# Altium PCB Split_pcb.PcbDoc (part 1 of 2)
Units mm, origin at the board's own origin, x right, y up, seen from the top; angles counter-clockwise.
Board outline 94 x 100 mm, 2 copper layers (Top Layer, Top, Bottom Layer, Bottom), stack 0.981 mm thick; 156 components, 108 nets, 453 pads, 241 vias.
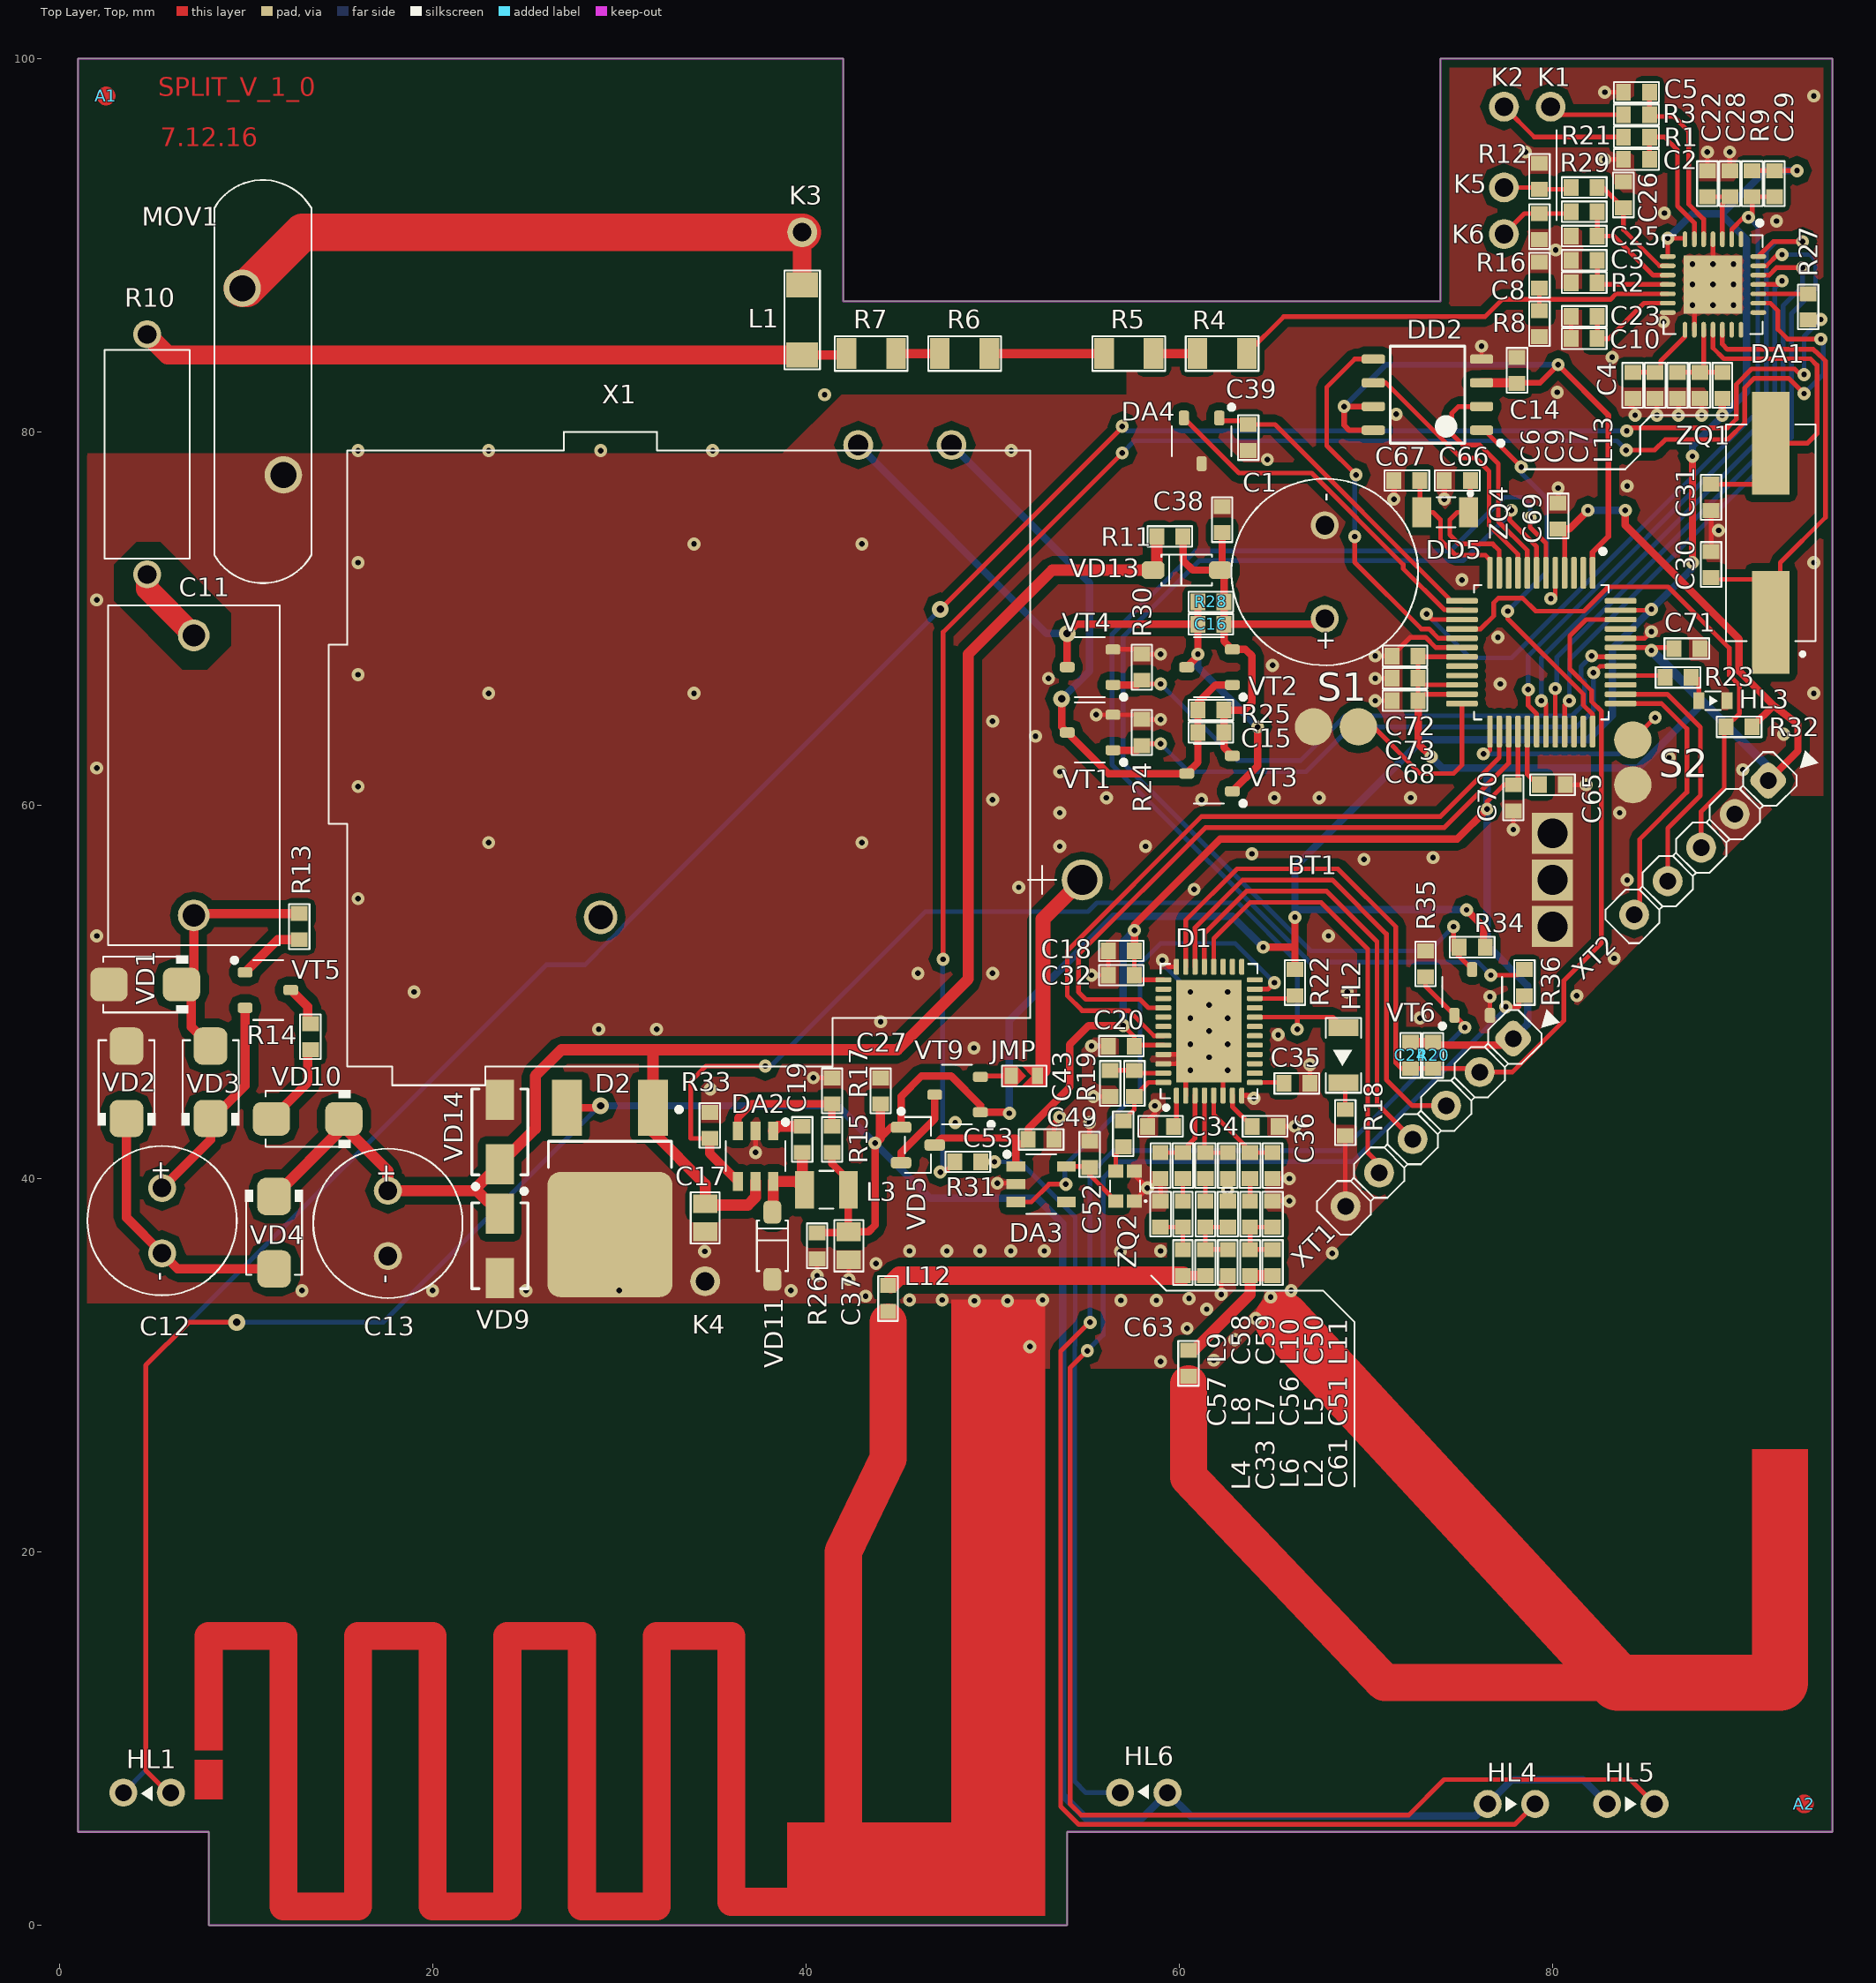
[diagram p0: Top Layer, Top view]
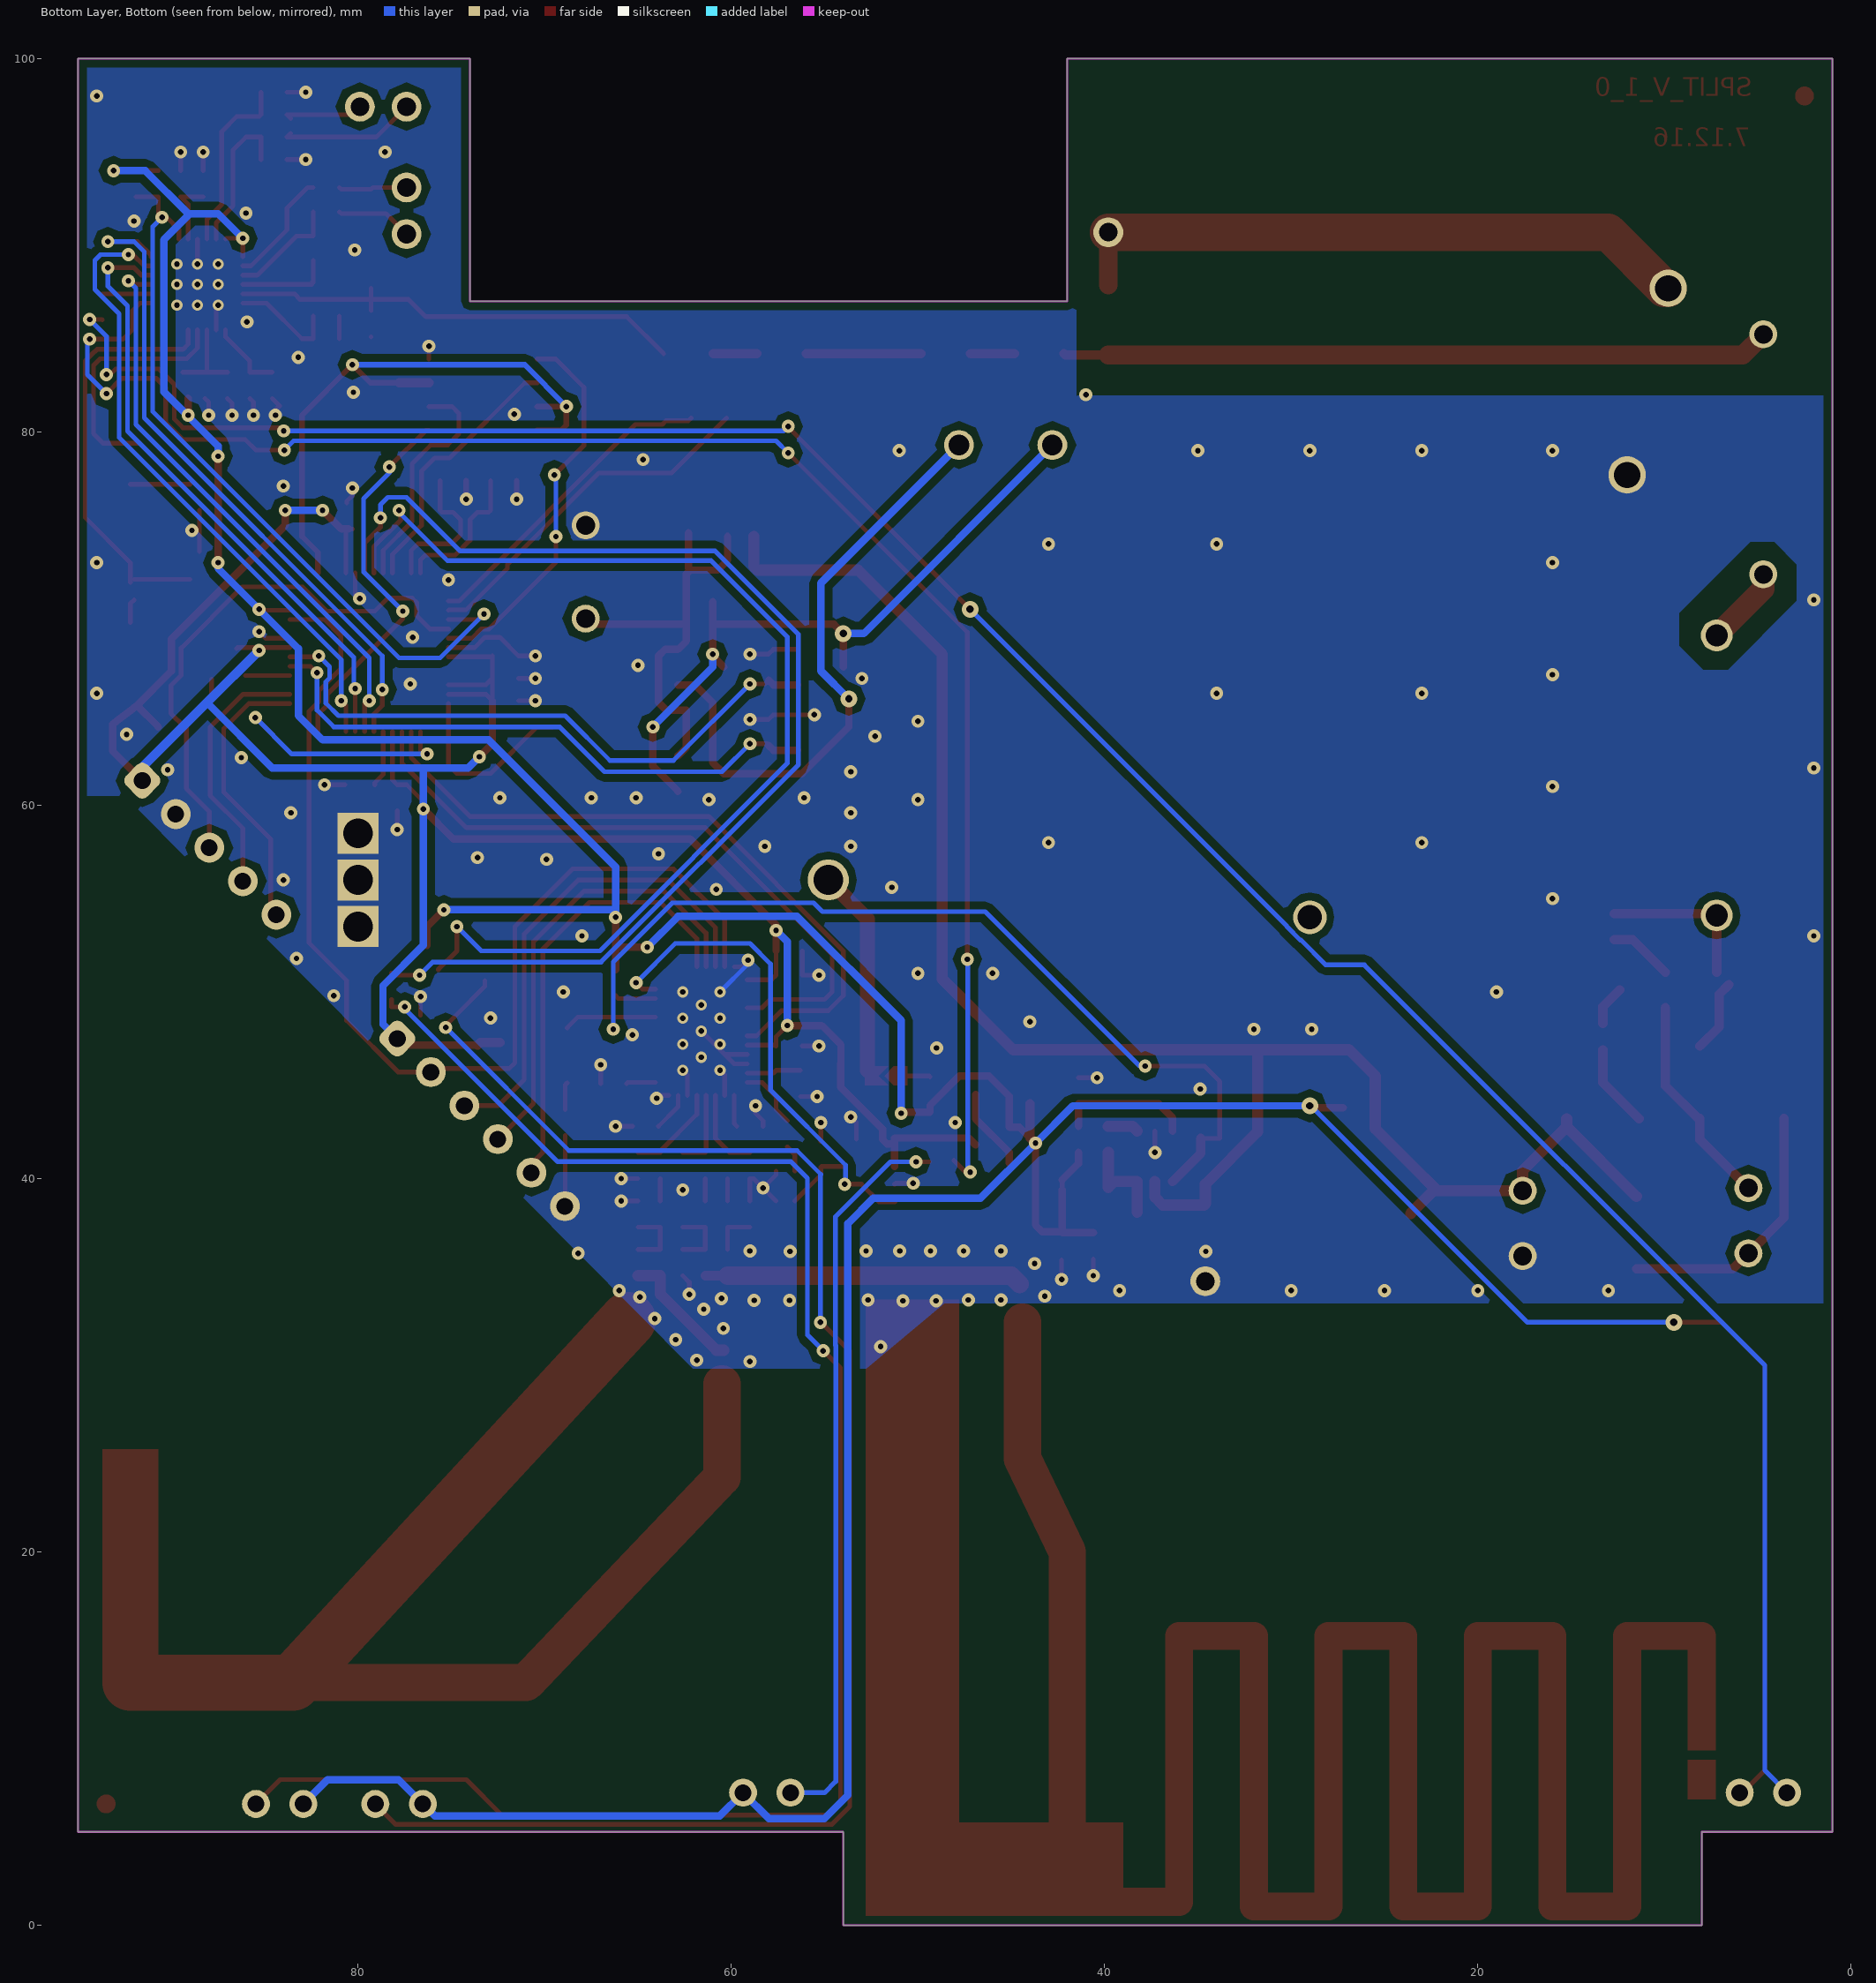
[diagram p1: Bottom Layer, Bottom view, seen from below]

## Layer stack, top to bottom
Top Solder, Top Mask: solder mask 0.0102, Solder Resist, Dk 3.5
Top Layer, Top: signal copper 0.0356
Dielectric 1: dielectric 0.91, FR-4, Dk 4.8
Bottom Layer, Bottom: signal copper 0.0356
Bottom Solder, Bot Mask: solder mask 0.0102, Solder Resist, Dk 3.5

## Board outline
1,5 1,100 42,100 42,87 74,87 74,100 95,100 95,5 54,5 54,0 8,0 8,5

## Design rules (kind name [scope] priority, off if disabled: settings)
Clearance [All] p1: gap=0.2 ignorepadtopadclearanceinfootprint=FALSE except(0: Arc-Hole Track-Hole SMDPad-Hole THPad-Hole Via-Hole Fill-Hole Poly-Hole Region-Hole Text-Hole; 0.4: Arc-Poly Track-Poly SMDPad-Poly THPad-Poly Via-Poly Fill-Poly Poly-Poly)
ComponentClearance [All] p1: gap=0.05 collisioncheckmode=3 verticalgap=0 showdistances=FALSE
Height [All] p1: minheight=0 maxheight=100 prefheight=12.7
HoleSize [All] p1: absolutevalues=TRUE maxlimit=6 minlimit=0.025 maxpercent=80.000 minpercent=20.000
MinimumSolderMaskSliver [All] p1 off: minsoldermaskwidth=0.254
PlaneClearance [All] p1: clearance=0.254
PolygonConnect [All] p1: connectstyle=Direct reliefconductorwidth=0.254 reliefentries=4 polygonreliefangle="90 Angle" airgapwidth=0.254
RoutingVias [All] p1: holewidth=0.4 width=0.9 viastyle="Through Hole" minholewidth=0.3 minwidth=0.6 maxholewidth=2 maxwidth=2
SilkToBoardRegionClearance [All] p1 off:
SilkToSilkClearance [All] p1 off: silktosilkclearance=0.254
SilkToSolderMaskClearance [IsPad] p1 off: minsilkscreentomaskgap=0.1 clearancetoexposedcopper=TRUE
SolderMaskExpansion [All] p1: expansion=0.102
Width [All] p1: maxlimit=5 minlimit=0.2 preferedwidth=0.25
22 further rules are at their usual default settings.

## Components (designator, comment, footprint, x,y, rotation, side; value= is the part's Value field where it differs from the comment)
A1 "Reper" REPzn 2.5,98 r0 top net-tie
A2 "Reper" REPzn 93.5,6.5 r0 top net-tie
BT1 "Nominal" ER14250 67.4,56 r0 top locked value="Battery 3.6V"
C1 "Nominal" 25PX1000MEFCT810X16 67.8,72.5 r90 top value="1000 мкФ"
C2 "Nominal" CAP_0603 84.5,94.6 r180 top value="33 нФ"
C3 "Nominal" CAP_0603 81.7,89.2 r180 top value="33 нФ"
C4 "Nominal" CAP_0603 84.3,82.5 r90 top value="4.7 мкФ"
C5 "Nominal" CAP_0603 84.5,98.2 r180 top value="33 нФ"
C6 "Nominal" CAP_0603 85.5,82.5 r90 top value="0.1 мкФ"
C7 "Nominal" CAP_0603 87.9,82.5 r90 top value="4.7 мкФ"
C8 "Nominal" CAP_0603 79.3,88.4 r90 top value="33 нФ"
C9 "Nominal" CAP_0603 86.7,82.5 r90 top value="0.1 мкФ"
C10 "Nominal" CAP_0603 81.7,85 r180 top value="4.7 мкФ"
C11 "Nominal" B32922C3474K189 7.2,61.6 r270 top value="1 мкФ"
C12 "Nominal" UVR1C471MPD1TD 5.5,37.75 r270 top value="100 мкФ"
C13 "Nominal" UVR1C471MPD1TD 17.6,37.6 r270 top value="100 мкФ"
C14 "Nominal" CAP_0603 78.1,83.3 r270 top value="0.1 мкФ"
C15 "Nominal" CAP_0603 61.7,63.9 r180 top value="0.1 мкФ"
C16 "Nominal" CAP_0603 61.7,69.7 r180 top value="0.1 мкФ"
C17 "Nominal" CAP_0805 34.6,37.9 r270 top value="10 мкФ"
C18 "Nominal" CAP_0603 56.9,52.2 r180 top value="4.7 мкФ"
C19 "Nominal" CAP_0603 39.8,42.1 r90 top value="10 нФ"
C20 "Nominal" CAP_0603 56.9,47.1 r180 top value="0.1 мкФ"
C22 "Nominal" CAP_0603 88.3,93.3 r270 top value="4.7 мкФ"
C23 "Nominal" CAP_0603 81.7,86.2 r180 top value="0.1 мкФ"
C24 "Nominal" CAP_0603 72.4,46.6 r90 top value="10 нФ"
C25 "Nominal" CAP_0603 81.7,90.5 r180 top value="33 нФ"
C26 "Nominal" CAP_0603 83.8,92.7 r90 top value="33 нФ"
C27 "Nominal" CAP_0603 44,44.7 r90 top value="4.7 мкФ"
C28 "Nominal" CAP_0603 89.5,93.3 r270 top value="0.1 мкФ"
C29 "Nominal" CAP_0603 91.9,93.3 r270 top value="0.1 мкФ"
C30 "Nominal" CAP_0603 88.5,72.9 r90 top value="18 пФ"
C31 "Nominal" CAP_0603 88.5,76.5 r270 top value="18 пФ"
C32 "Nominal" CAP_0603 56.9,50.9 r180 top value="0.1 мкФ"
C33 "Nominal" CAP_0603 61.4,35.5 r90 top value="4.7 пФ"
C34 "Nominal" CAP_0603 59,42.8 r180 top value="0.1 мкФ"
C35 "Nominal" CAP_0603 66.3,45.1 r180 top value="39 пФ"
C36 "Nominal" CAP_0603 64.6,42.8 r0 top value="0.1 мкФ"
C37 "Nominal" CAP_0805 42.3,36.4 r270 top value="22 мкФ"
C38 "Nominal" CAP_0603 62.3,75.3 r90 top value="0.1 мкФ"
C39 "Nominal" CAP_0603 63.7,79.7 r270 top value="0.1 мкФ"
C43 "Nominal" CAP_0603 56.3,45.1 r270 top value="10 нФ"
C49 "Nominal" CAP_0603 57,42.4 r270 top value="10 нФ"
C50 "Nominal" CAP_0603 63.8,40.7 r90 top value="2.7 пФ"
C51 "Nominal" CAP_0603 65,38.1 r90 top value="3.6 пФ"
C52 "Nominal" CAP_0603 55.2,41.3 r90 top value="1 мкФ"
C53 "Nominal" CAP_0603 52.6,42.1 r0 top value="1 мкФ"
C56 "Nominal" CAP_0603 62.6,38.1 r90 top value="4.7 пФ"
C57 "Nominal" CAP_0603 59,38.1 r90 top value="10 пФ"
C58 "Nominal" CAP_0603 60.2,40.7 r90 top value="4.7 пФ"
C59 "Nominal" CAP_0603 61.4,40.7 r90 top value="4.7 пФ"
C61 "Nominal" CAP_0603 65,35.5 r90 top value="3.6 пФ"
C63 "Nominal" CAP_0603 60.5,30.1 r90 top value="1.5 пФ"
C65 "Nominal" CAP_0603 80,61.1 r0 top value="1 мкФ"
C66 "Nominal" CAP_0603 74.9,77.4 r180 top value="18 пФ"
C67 "Nominal" CAP_0603 72.2,77.4 r180 top value="18 пФ"
C68 "Nominal" CAP_0603 72.1,65.6 r180 top value="4.7 мкФ"
C69 "Nominal" CAP_0603 80.3,75.5 r90 top value="0.1 мкФ"
C70 "Nominal" CAP_0603 77.9,60.4 r270 top value="0.1 мкФ"
C71 "Nominal" CAP_0603 87.2,68.4 r0 top value="0.1 мкФ"
C72 "Nominal" CAP_0603 72.1,68 r180 top value="0.1 мкФ"
C73 "Nominal" CAP_0603 72.1,66.8 r180 top value="0.1 мкФ"
D1 "AX8052F143" QFN-40_ 61.6,47.9 r90 top locked value="SoC Ultra-Low Power RF-Microcontroller"
D2 "LP2950" DPAK 29.5,38.7 r270 top value="100 mA, Low Power Low Dropout Voltage Regulator"
DA1 "ADE7953" QFN-29 88.6,87.9 r270 top locked value="Single Phase, Multifunction Metering IC"
DA2 "AOZ1280CI" SOT-23 37.3,41.2 r270 top value="Simple Buck Regulator"
DA3 "AP2127K" SOT-23-5 52.6,39.7 r0 top value="LOW NOISE CMOS LDO REGULATOR"
DA4 "AH180N-WG-7" SOT-23-3 61.2,79.5 r270 top value="MICROPOWER OMNIPOLAR HALL-EFFECT SWITCH"
DD2 "AT25SF041-SSHD-T" SOIC-8 73.3,82 r180 top value="SPI Serial Flash Memory 4-Mbit"
DD5 "EFM32HG222" TQFP-48 79.4,68.2 r270 top locked value="32-bit ARM Cortex-M0+"
HL1 "MV6951" LED_5mm 4.7,7.1 r0 top
HL2 "APT3216SRCPRV" LED_1206_RED_Bottom 68.8,46.6 r270 top locked
HL3 "KPH-1608HD" LED_0603_RED 88.6,65.6 r180 top
HL4 "SFH203FA" LED_5mm 77.8,6.5 r0 top locked
HL5 "L-53F3C" LED_5mm 84.2,6.5 r0 top locked
HL6 "MV6951" LED_5mm 58.1,7.1 r0 top
JMP "STD_RES" JMP_PCB 51.7,45.5 r180 top value="PCB Jumper"
K1 "Test_Point" "Test Point_TH_1mm" 79.9,97.425 r90 top
K2 "Test_Point" "Test Point_TH_1mm" 77.4,97.425 r0 top
K3 "Test_Point" "Test Point_TH_1mm" 39.8,90.7 r90 top
K4 "Test_Point" "Test Point_TH_1mm" 34.6,34.5 r90 top
K5 "Test_Point" "Test Point_TH_1mm" 77.4,93.1 r90 top
K6 "Test_Point" "Test Point_TH_1mm" 77.4,90.6 r90 top
L1 "STD_IND" IND_1806 39.8,86 r270 top value="110 Ом"
L2 "STD_IND" IND_0603 63.8,35.5 r90 top value="2.2 нГн"
L3 "STD_IND" IND_1007 41.1,39.4 r0 top value="4.7 мкГн"
L4 "STD_IND" IND_0603 60.2,35.5 r90 top value="27 нГн"
L5 "STD_IND" IND_0603 63.8,38.1 r90 top value="18 нГн"
L6 "STD_IND" IND_0603 62.6,35.5 r90 top value="27 нГн"
L7 "STD_IND" IND_0603 61.4,38.1 r90 top value="43 нГн"
L8 "STD_IND" IND_0603 60.2,38.1 r90 top value="43 нГн"
L9 "STD_IND" IND_0603 59,40.7 r270 top value="100 нГн"
L10 "STD_IND" IND_0603 62.6,40.7 r270 top value="100 нГн"
L11 "STD_IND" IND_0603 65,40.7 r90 top value="18 нГн"
L12 "STD_IND" IND_0603 44.4,33.575 r90 top value="27 нГн"
L13 "STD_IND" IND_0603 89.1,82.5 r90 top value="120 Ом"
MOV1 "STD_VARISTOR" Varistor_14mm 10.9,82.7 r90 top value=612В
R1 "STD_RES" RES_0603 84.5,95.8 r180 top value="1 кОм"
R2 "STD_RES" RES_0603 81.7,88 r0 top value="1 кОм"
R3 "STD_RES" RES_0603 84.5,97 r180 top value="1 кОм"
R4 "STD_RES" RES_1206 62.3,84.2 r0 top value="523 кОм"
R5 "STD_RES" RES_1206 57.3,84.2 r0 top value="523 кОм"
R6 "STD_RES" RES_1206 48.5,84.2 r0 top value="523 кОм"
R7 "STD_RES" RES_1206 43.5,84.2 r180 top value="523 кОм"
R8 "STD_RES" RES_0603 79.3,85.8 r90 top value="1 кОм"
R9 "STD_RES" RES_0603 90.7,93.3 r270 top value="10 кОм"
R10 "STD_RES" RES_TH_1W_68Ohm 4.7,78.8 r270 top value="68 Ом"
R11 "STD_RES" RES_0603 59.5,74.4 r0 top value="1 кОм"
R12 "STD_RES" RES_0603 79.3,93.7 r90 top value="5.9 Ом"
R13 "STD_RES" RES_0603 12.85,53.5 r90 top value="10 кОм"
R14 "STD_RES" RES_0603 13.45,47.6 r270 top value="47 Ом"
R15 "STD_RES" RES_0603 41.4,42.1 r270 top value="4,3 кОм"
R16 "STD_RES" RES_0603 79.3,91 r270 top value="5.9 Ом"
R17 "STD_RES" RES_0603 41.4,44.7 r270 top value="1,2 кОм"
R18 "STD_RES" RES_0603 68.9,43 r270 top value="1 кОм"
R19 "STD_RES" RES_0603 57.6,45.1 r90 top value="1 кОм"
R20 "STD_RES" RES_0603 73.6,46.6 r270 top value="10 кОм"
R21 "STD_RES" RES_0603 81.7,93.1 r180 top value="1 кОм"
R22 "STD_RES" RES_0603 66.2,50.5 r270 top value="10 кОм"
R23 "STD_RES" RES_0603 86.725,66.85 r0 top value="1 кОм"
R24 "STD_RES" RES_0603 58,63.9 r270 top value="1 кОм"
R25 "STD_RES" RES_0603 61.7,65.1 r0 top value="10 кОм"
R26 "STD_RES" RES_0603 40.6,36.4 r270 top value="4,7 кОм"
R27 "STD_RES" RES_0603 93.7,86.7 r90 top value="1 кОм"
R28 "STD_RES" RES_0603 61.7,70.9 r0 top value="10 кОм"
R29 "STD_RES" RES_0603 81.7,91.8 r180 top value="1 кОм"
R30 "STD_RES" RES_0603 58,67.4 r270 top value="1 кОм"
R31 "STD_RES" RES_0603 48.675,40.9 r180 top value="1 кОм"
R32 "STD_RES" RES_0603 90,64.2 r180 top value="10 кОм"
R33 "STD_RES" RES_0603 34.85,42.85 r270 top value="10 кОм"
R34 "STD_RES" RES_0603 75.7,52.4 r180 top value="10 кОм"
R35 "STD_RES" RES_0603 73.2,51.5 r270 top value="47 кОм"
R36 "STD_RES" RES_0603 78.5,50.5 r90 top value="200 Ом"
VD1 "STD_DIODE" SMA 4.6,50.4 r180 top
VD2 "STD_DIODE" SMA 3.6,45.16 r90 top
VD3 "STD_DIODE" SMA 8.1,45.16 r90 top
VD4 "STD_DIODE" SMA 11.5,37.1 r270 top
VD5 "PMEG2005CT" SOT23 46,41.8 r0 top
VD9 "STD_DIODE_ZENER" DO-214AC 23.6,36.4 r270 top
VD10 "STD_DIODE" SMA 13.3,43.2 r180 top
VD11 "STD_DIODE" SOD123 38.2,36.4 r270 top
VD13 "STD_DIODE" SOD123 60.4,72.6 r0 top
VD14 "STD_DIODE_ZENER" DO-214AC 23.6,42.5 r90 top
VT1 "2N7002P" SOT-23-3 55.2,63.9 r180 top value="N-channel Trench MOSFET"
VT2 "BSS83P H6327" SOT-23-3 61.6,67.4 r180 top value="SIPMOS Small-Signal-Transistor"
VT3 "BSS83P H6327" SOT-23-3 61.6,61.7 r180 top value="SIPMOS Small-Signal-Transistor"
VT4 "2N7002P" SOT-23-3 55.2,67.4 r180 top value="N-channel Trench MOSFET"
VT5 "MMBT2907ALT1G" SOT-23-3 11.2,50.1 r0 top value="General Purpose Transistors PNP"
VT6 "FDV303N" SOT-23-3 75.7,50 r90 top value="N-Channel MOSFET"
VT9 "IRLML2246TRPbF" SOT-23-3 48.1,44.5 r180 top value="HEXFET Power MOSFET  P-Channel"
X1 "STD_CON2" GRT508B 52.4,79 r180 top locked
XT1 "STD_CON6" PLS-6 73.404,43.011 r225 top locked
XT2 "STD_CON5" PLS-5 89.764,59.526 r225 top locked
ZQ1 "ABLS-3.579545MHZ-B4-T" HC49US 91.7,74.6 r90 top value="SMD LOW PROFILE CRYSTAL"
ZQ2 "NT2016SA-26.000000MHZ-NBG2" 2x1,6_4pin 57.1,39.6 r90 top value="TCXO 26MHz"
ZQ4 "KX-327NHT 32.768 kHz" KX-327NHT 74.3,75.7 r180 top value="Quartz Crystal"
